# Altium PCB Quark.PcbDoc (part 1 of 3) (continued)
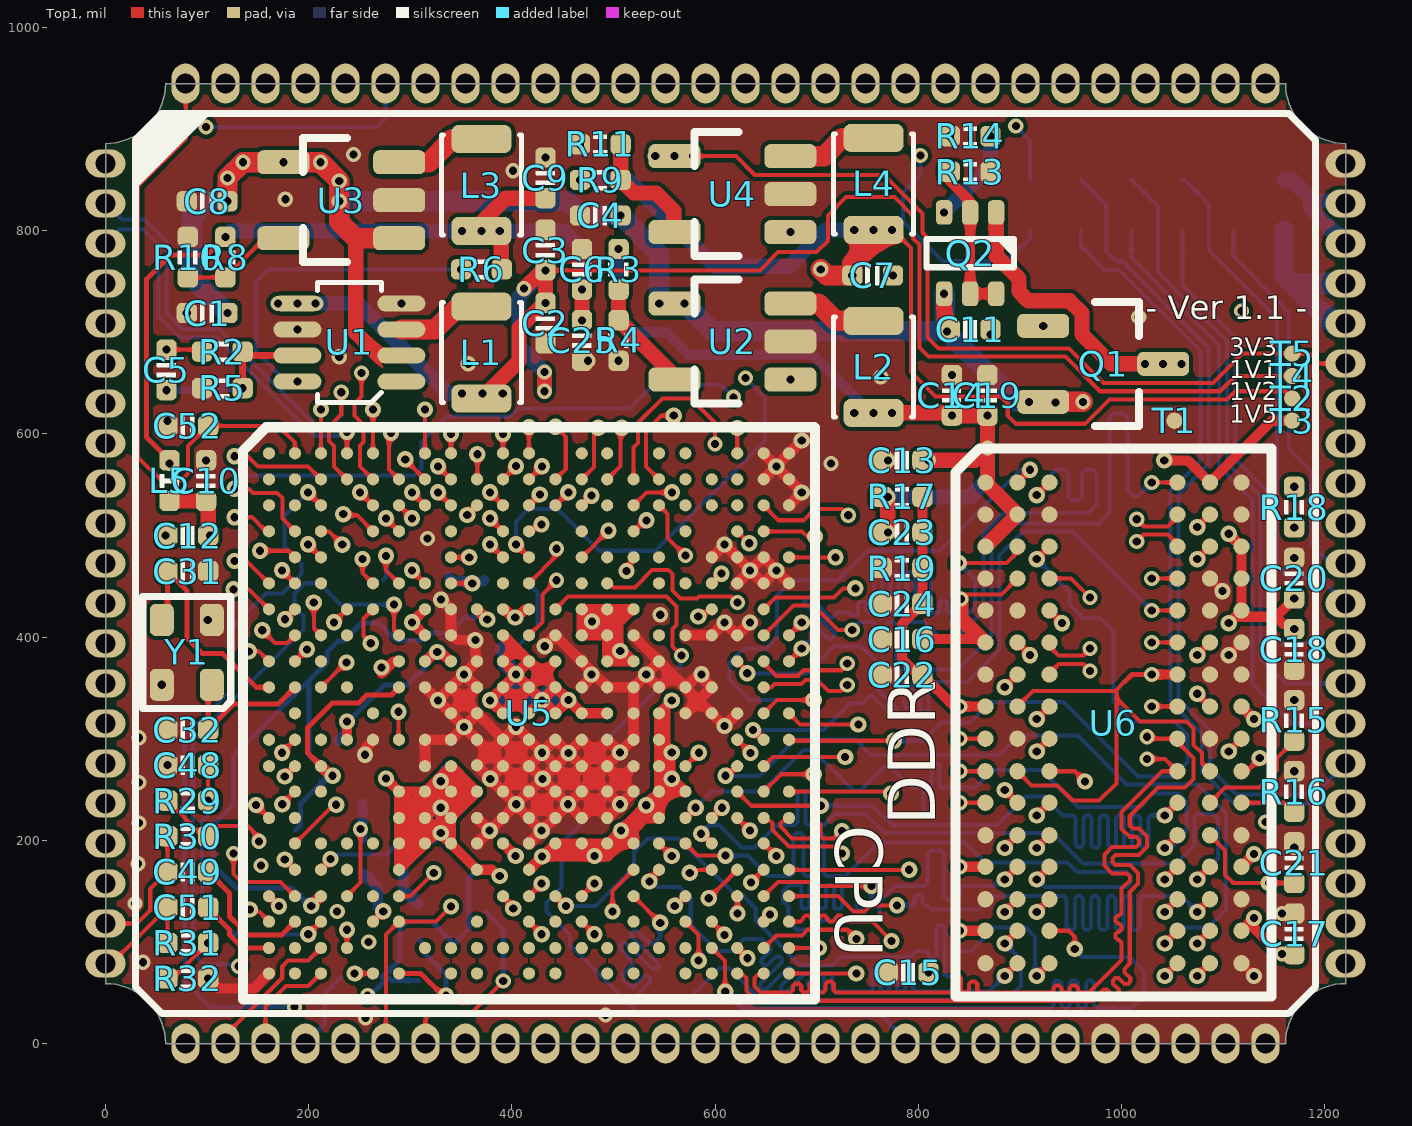
[diagram p0: Top1 view]
## Components (designator, comment, footprint, x,y, rotation, side; value= is the part's Value field where it differs from the comment) (continued)
R9 "10K/1%" RES_0402 487,850 r180 top value=22R
R10 "6.8K/1%" RES_0402 81,774 r270 top value=22R
R11 "10K/1%" RES_0402 487,885 r0 top value=22R
R12 "0R" RES_0402 221,190 r90 bottom value=22R
R13 "10K/1%" RES_0402 851,858 r180 top value=22R
R14 "10K/1%" RES_0402 851,893 r180 top value=22R
R15 "240R/1%" RES_0402 1170,318 r90 top value=22R
R16 "240R/1%" RES_0402 1170,248 r90 top value=22R
R17 "2K/1%" RES_0402 784,538 r180 top value=22R
R18 "100R" RES_0402 1170,528 r90 top value=22R
R19 "2K/1%" RES_0402 784,468 r0 top value=22R
R20 "240R/1%" RES_0402 408,110 r270 bottom value=22R
R21 "1M" RES_0402 343,168 r0 bottom value=22R
R22 "10K" RES_0402 340,115 r270 bottom value=22R
R23 "47K" RES_0402 200,264 r0 bottom value=22R
R24 "10K" RES_0402 187,190 r90 bottom value=22R
R25 "220K/1%" RES_0402 273,168 r180 bottom value=22R
R26 "0R" RES_0402 403.68,178.5 r270 bottom value=22R
R27 "100K" RES_0402 252,65 r180 bottom value=22R
R28 "47K" RES_0402 309,82 r90 bottom value=22R
R29 "1K" RES_0402 81,239 r0 top value=22R
R30 "2K" RES_0402 81,204 r0 top value=22R
R31 "2K" RES_0402 81,99 r180 top value=22R
R32 "1K" RES_0402 81,64 r180 top value=22R
R33 "6K/1%" RES_0402 253,456 r0 bottom value=22R
T1 "测试点" TEST_PT 1052,613 r0 top
T2 "测试点" TEST_PT 1168.01,635 r90 top
T3 "测试点" TEST_PT 1168.01,613 r90 top
T4 "测试点" TEST_PT 1168.01,657 r90 top
T5 "测试点" TEST_PT 1168.01,679 r90 top
U1 "MP2143DJ" SOT23-8 240,690 r90 top
U2 "RT8059" SOT23-5 615,691 r180 top
U3 "RT8059" SOT23-5 230,830 r180 top
U4 "SY8089A" SOT23-5 615,836 r180 top
U5 "ALLWINNER-H3(FBGA-347)" "FBGA-347 - duplicate" 416.77,325 r0 top locked
U6 "K4B4G1646D-BCK0(FBGA-96_256Mx16_DDR3-1600_11-11-11)" FBGA96(HYNIX_SAMSUNG_512MX16_DDR3) 992,316 r270 top locked
Y1 "24MHz" 晶振2520 80,385 r90 top

## Footprints (in the part's own frame and the unit in brackets; to place one, negate y for a bottom-side part, rotate by r counter-clockwise, add the part's x,y. Pads: shape width x height; smd on the part's side, far side on the other; paste and mask are expansions set on the pad)
2520-L [mm]
  rrect50% 0.7x1.5 smd: 1(-1.15,0) 2(1.15,0)
  silkscreen extent -1.25,-1 1.25,1, body extent -1,-0.6 1,0.6, height 0.92
CAP_0402 [mil]
  rrect50% 20x20 smd: 1(-20,0) 2(20,0)
  silkscreen extent -6,-9 6,9, body extent -20,-10 20,10, height 20
FBGA96(HYNIX_SAMSUNG_512MX16_DDR3) [mil] "FBGA96(HYNIX_SAMSUNG_512MX16_DDR3)"
  rrect100% 16x16 smd: A1(-236.22,-125.98) A2(-236.22,-94.49) A3(-236.22,-62.99) A7(-236.22,63) A8(-236.22,95) A9(-236.22,126) B1(-204.72,-125.98) B2(-204.72,-94.49) B3(-204.72,-62.99) B7(-204.72,63) B8(-204.72,95) B9(-204.72,126) C1(-173.23,-125.98) C2(-173.23,-94.49) C3(-173.23,-62.99) C7(-173.23,63) C8(-173.23,95) C9(-173.23,126) D1(-141.73,-125.98) D2(-141.73,-94.49) D3(-141.73,-62.99) D7(-141.73,63) D8(-141.73,95) D9(-141.73,126) E1(-110.24,-125.98) E2(-110.24,-94.49) E3(-110.24,-62.99) E7(-110.24,63) E8(-110.24,95) E9(-110.24,126) F1(-78.74,-125.98) F2(-78.74,-94.49) F3(-78.74,-62.99) F7(-78.74,63) F8(-78.74,95) F9(-78.74,126) G1(-47.24,-125.98) G2(-47.24,-94.49) G3(-47.24,-62.99) G7(-47.24,63) G8(-47.24,95) G9(-47.24,126) H1(-15.75,-125.98) H2(-15.75,-94.49) H3(-15.75,-62.99) H7(-15.75,63) H8(-15.75,95) H9(-15.75,126) J1(16,-125.98) J2(16,-94.49) J3(16,-62.99) J7(16,63) J8(16,95) J9(16,126) K1(48,-125.98) K2(48,-94.49) K3(48,-62.99) K7(48,63) K8(48,95) K9(48,126) L1(79,-125.98) L2(79,-94.49) L3(79,-62.99) L7(79,63) L8(79,95) L9(79,126) M1(111,-125.98) M2(111,-94.49) M3(111,-62.99) M7(111,63) M8(111,95) M9(111,126) N1(142,-125.98) N2(142,-94.49) N3(142,-62.99) N7(142,63) N8(142,95) N9(142,126) P1(174,-125.98) P2(174,-94.49) P3(174,-62.99) P7(174,63) P8(174,95) P9(174,126) R1(205,-125.98) R2(205,-94.49) R3(205,-62.99) R7(205,63) R8(205,95) R9(205,126) T1(237,-125.98) T2(237,-94.49) T3(237,-62.99) T7(237,63) T8(237,95) T9(237,126)
  silkscreen extent -270,-156 270,156
"FBGA-347 - duplicate" [mil] "FBGA-347"
  rrect100% 12x12 smd: A1(-255.91,255.91) A2(-230.31,255.91) A3(-204.72,255.91) A4(-179.13,255.91) A5(-153.54,255.91) A7(-102.36,255.91) A8(-76.77,255.91) A10(-25.59,255.91) A11(0,255.91) A13(52,255.91) A14(77,255.91) A16(128,255.91) A17(154,255.91) A19(205,255.91) A20(231,255.91) A21(256,255.91) AA1(-255.91,-256) AA2(-230.31,-256) AA3(-204.72,-256) AA5(-153.54,-256) AA6(-127.95,-256) AA8(-76.77,-256) AA9(-51.18,-256) AA11(0,-256) AA12(26,-256) AA14(77,-256) AA15(103,-256) AA17(154,-256) AA18(180,-256) AA19(205,-256) AA20(231,-256) AA21(256,-256) B1(-255.91,230.32) B2(-230.31,230.32) B3(-204.72,230.32) B4(-179.13,230.32) B5(-153.54,230.32) B6(-127.95,230.32) B7(-102.36,230.32) B8(-76.77,230.32) B9(-51.18,230.32) B10(-25.59,230.32) B11(0,230.32) B12(26,230.32) B13(52,230.32) B14(77,230.32) B15(103,230.32) B16(128,230.32) B17(154,230.32) B18(180,230.32) B19(205,230.32) B20(231,230.32) B21(256,230.32) C1(-255.91,204.72) C2(-230.31,204.72) C3(-204.72,204.72) C5(-153.54,204.72) C6(-127.95,204.72) C7(-102.36,204.72) C8(-76.77,204.72) C9(-51.18,204.72) C10(-25.59,204.72) C11(0,204.72) C12(26,204.72) C13(52,204.72) C14(77,204.72) C15(103,204.72) C16(128,204.72) C17(154,204.72) C18(180,204.72) C19(205,204.72) C20(231,204.72) C21(256,204.72) D1(-255.91,179.13) D2(-230.31,179.13) D3(-204.72,179.13) D5(-153.54,179.13) D6(-127.95,179.13) D8(-76.77,179.13) D10(-25.59,179.13) D11(0,179.13) D13(52,179.13) D15(103,179.13) D17(154,179.13) D19(205,179.13) D20(231,179.13) E2(-230.31,153.54) E3(-204.72,153.54) E8(-76.77,153.54) E10(-25.59,153.54) E11(0,153.54) E13(52,153.54) E14(77,153.54) E15(103,153.54) E16(128,153.54) E18(180,153.54) E19(205,153.54) E20(231,153.54) E21(256,153.54) F1(-255.91,127.95) F2(-230.31,127.95) F3(-204.72,127.95) F5(-153.54,127.95) F6(-127.95,127.95) F7(-102.36,127.95) F8(-76.77,127.95) F10(-25.59,127.95) F11(0,127.95) F13(52,127.95) F14(77,127.95) F16(128,127.95) F17(154,127.95) F18(180,127.95) F19(205,127.95) F20(231,127.95) F21(256,127.95) G1(-255.91,102.36) G2(-230.31,102.36) G4(-179.13,102.36) G5(-153.54,102.36) G7(-102.36,102.36) G8(-76.77,102.36) G9(-51.18,102.36) G10(-25.59,102.36) G11(0,102.36) G12(26,102.36) G13(52,102.36) G14(77,102.36) G15(103,102.36) G18(180,102.36) G20(231,102.36) H2(-230.31,76.77) H3(-204.72,76.77) H4(-179.13,76.77) H6(-127.95,76.77) H7(-102.36,76.77) H8(-76.77,76.77) H10(-25.59,76.77) H11(0,76.77) H12(26,76.77) H13(52,76.77) H14(77,76.77) H15(103,76.77) H16(128,76.77) H17(154,76.77) H18(180,76.77) H19(205,76.77) H20(231,76.77) H21(256,76.77) J1(-255.91,51.18) J2(-230.31,51.18) J3(-204.72,51.18) J6(-127.95,51.18) J7(-102.36,51.18) J8(-76.77,51.18) J9(-51.18,51.18) J10(-25.59,51.18) J11(0,51.18) J12(26,51.18) J13(52,51.18) J14(77,51.18) J15(103,51.18) J16(128,51.18) J19(205,51.18) J20(231,51.18) J21(256,51.18) K1(-255.91,25.59) K2(-230.31,25.59) K3(-204.72,25.59) K4(-179.13,25.59) K6(-127.95,25.59) K7(-102.36,25.59) K8(-76.77,25.59) K9(-51.18,25.59) K10(-25.59,25.59) K11(0,25.59) K12(26,25.59) K13(52,25.59) K14(77,25.59) K15(103,25.59) K16(128,25.59) K17(154,25.59) K18(180,25.59) K20(231,25.59) L2(-230.31,0) L5(-153.54,0) L8(-76.77,0) L9(-51.18,0) L10(-25.59,0) L11(0,0) L12(26,0) L13(52,0) L14(77,0) L15(103,0) L16(128,0) L17(154,0) L18(180,0) L19(205,0) L20(231,0) L21(256,0) M1(-255.91,-26) M2(-230.31,-26) M3(-204.72,-26) M4(-179.13,-26) M5(-153.54,-26) M6(-127.95,-26) M7(-102.36,-26) M8(-76.77,-26) M9(-51.18,-26) M10(-25.59,-26) M11(0,-26) M12(26,-26) M13(52,-26) M14(77,-26) M15(103,-26) M16(128,-26) M19(205,-26) M20(231,-26) M21(256,-26) N1(-255.91,-52) N2(-230.31,-52) N3(-204.72,-52) N7(-102.36,-52) N8(-76.77,-52) N9(-51.18,-51.18) N10(-25.59,-52) N11(0,-52) N12(26,-52) N13(52,-52) N14(77,-52) N15(103,-52) N16(128,-52) N17(154,-52) N19(205,-52) N20(231,-52) P2(-230.31,-77) P3(-204.72,-77) P6(-127.95,-77) P7(-102.36,-77) P8(-76.77,-77) P9(-51.18,-77) P10(-25.59,-77) P11(0,-77) P12(26,-77) P13(52,-77) P14(77,-77) P15(103,-77) P16(128,-77) P17(154,-77) P19(205,-77) P20(231,-77) P21(256,-77) R1(-255.91,-103) R2(-230.31,-103) R6(-127.95,-103) R7(-102.36,-103) R8(-76.77,-103) R9(-51.18,-103) R10(-25.59,-103) R11(0,-103) R12(26,-103) R13(52,-103) R14(77,-103) R16(128,-103) R17(154,-103) R18(180,-103) R19(205,-103) R20(231,-103) R21(256,-103) T2(-230.31,-128) T3(-204.72,-128) T4(-179.13,-128) T5(-153.54,-128) T6(-127.95,-128) T7(-102.36,-128) T8(-76.77,-128) T9(-51.18,-128) T10(-25.59,-128) T11(0,-128) T12(26,-128) T13(52,-128) T14(77,-128) T15(103,-128) T16(128,-128) T17(154,-128) T18(180,-128) T20(231,-128) U2(-230.31,-154) U3(-204.72,-154) U4(-179.13,-154) U6(-127.95,-154) U9(-51.18,-154) U11(0,-154) U15(103,-154) U16(128,-154) U18(180,-154) U19(205,-154) U20(231,-154) U21(256,-154) V1(-255.91,-180) V2(-230.31,-180) V3(-204.72,-180) V4(-179.13,-180) V5(-153.54,-180) V6(-127.95,-180) V10(-25.59,-180) V11(0,-180) V12(26,-180) V13(52,-180) V15(103,-180) V17(154,-180) V19(205,-180) V20(231,-180) V21(256,-180) W1(-255.91,-205) W2(-230.31,-205) W3(-204.72,-205) W5(-153.54,-205) W6(-127.95,-205) W9(-51.18,-205) W11(0,-205) W12(26,-205) W13(52,-205) W15(103,-205) W17(154,-205) W18(180,-205) W20(231,-205) W21(256,-205) Y1(-255.91,-231) Y2(-230.31,-231) Y3(-204.72,-231) Y4(-179.13,-231) Y7(-102.36,-231) Y8(-76.77,-231) Y9(-51.18,-231) Y10(-25.59,-231) Y11(0,-231) Y12(26,-231) Y13(52,-231) Y14(77,-231) Y15(103,-231) Y16(128,-231) Y17(154,-231) Y18(180,-231) Y19(205,-231) Y20(231,-231) Y21(256,-231)
  silkscreen extent -281,-281 281,281, body extent -276,-276 276,276, height 54
IND_0402 [mil]
  rrect50% 20x20 smd: 1(-20,0) 2(20,0)
  silkscreen extent -7,-9 7,9, body extent -20,-10 20,10, height 20
RES_0402 [mil]
  rrect50% 20x20 smd: 1(-20,0) 2(20,0)
  silkscreen extent -7,-10 7,10, body extent -20,-10 20,10, height 14
SOT23-3 [mm] "SOT23, 3-Leads, Body 3.1x3.0mm (max), Pitch 0.95mm, IPC Medium Density"
  rrect50% 1.3x0.6 smd: 1(-1.5,0.95) 2(-1.5,-0.95) 3(1.5,0)
  silkscreen extent -0.2,-1.55 0.9,1.55, body extent -1.3,-1.45 1.5,1.45, height 1.2
SOT23-5 [mm] "SOT23, 3-Leads, Body 3.1x3.0mm (max), Pitch 0.95mm, IPC Medium Density"
  rrect50% 1.3x0.6 smd: 1(-1.5,0.95) 2(-1.5,0) 3(-1.5,-0.95) 4(1.396,-0.95) 5(1.396,0.95)
  silkscreen extent -0.2,-1.55 0.9,1.55, body extent -1.48,-1.45 1.32,1.45, height 1.2
SOT23-8 [mm]
  oval 0.4x1.2 smd: 1(-0.975,-1.3) 2(-0.325,-1.3) 3(0.325,-1.3) 4(0.975,-1.3) 5(0.975,1.3) 6(0.325,1.3) 7(-0.325,1.3) 8(-0.975,1.3)
  silkscreen extent -1.5,-0.8 1.5,0.8, body extent -1.44,-1.43 1.5,1.37, height 1.2
SOT363-6 [mil]
  rrect50% 24x16 smd: 1(-40,25.59) 2(-40,0) 3(-40,-25.59) 4(40,-25.59) 5(40,0) 6(40,25.59)
  silkscreen extent -14,-43 14,43, body extent -41,-39 41,39, height 37
TEST_CORE [mm]
  round 0.9 smd: 1(0,0) 2(0,-1.27) 3(1.27,0) 4(1.27,-1.27) 5(2.54,0) 6(2.54,-1.27) 7(3.81,0) 8(3.81,-1.27) 9(5.08,0) 10(5.08,-1.27) 11(6.35,0) 12(6.35,-1.27)
TEST_PT [mil]
  rrect100% 16x16 smd: 0(0,0.01)
晶振2520 [mm]
  rrect50% 0.8x0.6 smd: 1(-0.81,-0.625) 2(0.81,-0.625) 3(0.81,0.625) 4(-0.81,0.625)
  silkscreen extent -1.4,-1.1 1.4,1.1, body extent -1.3,-1.05 1.3,1.05, height 0.55

## Part data
C1 C2 C3 C4 C5 C6 C7 C8 C9 C10 C11 C12 C13 C14 C15 C16 C17 C18 C19 C20 C21 C22 C23 C24 C25 C26 C27 C28 C29 C30 C31 C32 C33 C34 C35 C36 C37 C38 C39 C40 C41 C42 C43 C44 C45 C46 C47 C48 C49 C50 C51 C52 C53: library part 电容-0402, "Capacitor"
J1: library part TEST_12P
L1 L2 L3 L4: library part 电感-2520, "磁珠"
L5: library part Ind_0402, "Inductor", Specification="±5% 100mA", Type=0402
Q1: "MOSFET", LatestRevisionDate=17-Jul-2002, LatestRevisionNote="Re-released for DXP Platform.", PackageDescription="TO, Flat Index; 3 In-Line, Axial Leads; Body Dia. 4.6mm; Lead Dia. 0.5 mm (max)", PackageReference=E3, PackageVersion=1995/1996, Published=8-Jun-2000, Publisher="Altium Limited"
Q2: "Transistor"
R1 R2 R3 R4 R5 R6 R7 R8 R9 R10 R11 R12 R13 R14 R15 R16 R17 R18 R19 R20 R21 R22 R23 R24 R25 R26 R27 R28 R29 R30 R31 R32 R33: library part 电阻-0402, "Resistor"
U1 U2 U3 U4: "LDO"
U6: library part K4B8G1646Q-MYK0(FBGA-96_512MX16_DDR3-1600)
Y1: library part 晶振-4Pin-无源, "2520无源", Package="SMD-6 ECS International", Availability=Unavailable, MF="ECS International", MP=ECS-3225S30-240-EN-TR, Price="0.75 USD"
U5: ?=?

## Free pads (board coordinates)
  oval 39.37x27.56 hole 19.68: 1(0,866.14) 2(0,826.77) 3(0,787.4) 4(0,748.03) 5(0,708.66) 6(0,669.29) 7(0,629.92) 8(0,590.55) 9(0,551.18) 10(0,511.81) 11(0,472.44) 12(0,433.07) 13(0,393.7) 14(0,354.33) 15(0,314.96) 16(0,275.59) 17(0,236.22) 18(0,196.85) 19(0,157.48) 20(0,118.11) 21(0,78.74) 50(1220.47,78.74) 51(1220.47,118.11) 52(1220.47,157.48) 53(1220.47,196.85) 54(1220.47,236.22) 55(1220.47,275.59) 56(1220.47,314.96) 57(1220.47,354.33) 58(1220.47,393.7) 59(1220.47,433.07) 60(1220.47,472.44) 61(1220.47,511.81) 62(1220.47,551.18) 63(1220.47,590.55) 64(1220.47,629.92) 65(1220.47,669.29) 66(1220.47,708.66) 67(1220.47,748.03) 68(1220.47,787.4) 69(1220.47,826.77) 70(1220.47,866.14)
  oval 27.56x39.37 hole 19.68: 22(78.74,0) 23(118.11,0) 24(157.48,0) 25(196.85,0) 26(236.22,0) 27(275.59,0) 28(314.96,0) 29(354.33,0) 30(393.7,0) 31(433.07,0) 32(472.44,0) 33(511.81,0) 34(551.18,0) 35(590.55,0) 36(629.92,0) 37(669.29,0) 38(708.66,0) 39(748.03,0) 40(787.4,0) 41(826.77,0) 42(866.14,0) 43(905.51,0) 44(944.88,0) 45(984.25,0) 46(1023.62,0) 47(1062.99,0) 48(1102.36,0) 49(1141.73,0) 71(1141.73,944.88) 72(1102.36,944.88) 73(1062.99,944.88) 74(1023.62,944.88) 75(984.25,944.88) 76(944.88,944.88) 77(905.51,944.88) 78(866.14,944.88) 79(826.77,944.88) 80(787.4,944.88) 81(748.03,944.88) 82(708.66,944.88) 83(669.29,944.88) 84(629.92,944.88) 85(590.55,944.88) 86(551.18,944.88) 87(511.81,944.88) 88(472.44,944.88) 89(433.07,944.88) 90(393.7,944.88) 91(354.33,944.88) 92(314.96,944.88) 93(275.59,944.88) 94(236.22,944.88) 95(196.85,944.88) 96(157.48,944.88) 97(118.11,944.88) 98(78.74,944.88)

## Via types
v1: diameter 16, hole 8, Top1 to Bottom6, tented both sides, 238 vias
v2: diameter 15, hole 8, Top1 to Bottom6, tented both sides, 166 vias

## Nets (pads, with @x,y where several pads share a name; then routed paths per layer and width w, separated by ;. In a path a pad name is that pad's centre, name@x,y a point inside that pad or via, vN(x,y) a via of type N, cw(c..) or ccw(c..) an arc to the next point about the centre after c; other vN are vias at no path point)
AGND: C12.1 C43.2 C44.1 C45.1 C46.1 pad.22 R12.1 R25.1 U5.U3 | length 1257.2
  Top1 w4: U5.U3@212.05,171 v1@224.55,183.5
  Signal5 w7: pad.22@78.74,0 78.74,117.74 119,158 198.05,158 v1(221.55,181.5)
  Power4 w7: v2@61,500 49,488 49,387.57 126,310.57 126,226 ; pad.22@78.74,0 78.74,178.74 126,226 ; v2(259,100) 259,119 252,126 252,151.05 v1(221.55,181.5) 186.05,217 135,217 126,226
  Bottom6 w4: v1(221.55,181.5) 224.79,181.5 229.29,186 277,186 C45.1@293,202
  Bottom6 w10: C46.1@293,236 C45.1@293,202 R25.1@293,168 293,152 C44.1@308,137
  other v2: 59,500
AP-RESET#: C47.2 pad.28 R21.1 U5.V6 | length 386.8
  Top1 w4: U5.V6@288.82,145 300,145 v2(323,168) ; pad.28@314.96,0 314.96,23.96 322,31 361,31 v2(391.5,61.5)
  Power4 w4: v2(323,168) 323,102 363.5,61.5 v2(391.5,61.5)
  Bottom6 w5: C47.2@374,130 391.5,112.5 v2(391.5,61.5)
CAM_D0: pad.81 U5.C9 | length 732.4
  Top1 w4: v1(356,520.13) U5.C9@365.59,529.72
  Signal5 w4: v1(356,520.13) 356,523.38 351,528.38 351,588 359,596 359,606 333,632 333,686 426,779 450.19,779 518.19,847 599.43,847 633.43,881 709,881 748.03,920.03 pad.81@748.03,944.88
CAM_D1: pad.77 U5.E10 | length 872.6
  Top1 w4: v1(378.39,491.34) U5.E10@391.18,478.54
  Signal5 w4: v1(378.39,491.34) 412.05,525 436,525 441.46,530.46 441.46,554 459,571.54 459,679.69 466.31,687 482.31,687 506,710.69 506,726 556,776 573.69,776 609.69,812 644.19,846.5 645.69,848 724.46,848 748.94,848 771.63,848 842.31,848 875,848 923,896 923,914 905.51,931.49 pad.77@905.51,944.88
CAM_D2: pad.80 U5.D10 | length 755
  Top1 w4: v1(378.39,516.93) U5.D10@391.18,504.13
  Signal5 w4: v1(378.39,516.93) 378.39,517.55 362,533.93 362,551 384,573 384,585 372,597 372,609 382,619 398,619 408,629 408,683 452,727 452,767 485,800 563.75,800 599.75,836 635.75,872 739,872 787.4,920.4 pad.80@787.4,944.88
CAM_D3: pad.83 U5.C8 | length 662
  Top1 w4: v1(327.2,542.52) U5.C8@340,529.72
  Signal5 w4: v1(327.2,542.52) 312,557.72 312,592 287,617 287,662.63 419.37,795 443.56,795 538.56,890 619.8,890 625.8,896 626.8,897 635,897 669.29,931.29 pad.83@669.29,944.88
CAM_D4: pad.71 U5.C11 | length 999.6
  Top1 w4: U5.C11@416.77,529.72 v1(427.46,540.41)
  Signal2 w4: v1(427.46,540.41) 458.05,571 ; 458.05,571.05 469,582 469,642 489,662 489,713 568,792 606.31,792 636.54,822.22 783.09,822.22 809.31,796 873.69,796 891.69,814 961,814 1042,895 1070,895 1119,895 1141.73,917.73 pad.71@1141.73,944.88
CAM_D5: pad.76 U5.C12 | length 793.6
  Top1 w4: U5.C12@442.77,529.72 v1(455.57,542.52)
  Signal5 w4: v1(455.57,542.52) 467,553.95 467,638 489,660 489,680 517,708 577,708 587,718 587,778 613,804 649,840 727.77,840 752.25,840 774.94,840 845.63,840 878.31,840 879.31,841 881,841 944.88,904.88 pad.76@944.88,944.88
CAM_D6: pad.82 U5.E8 | length 778.7
  Top1 w4: U5.E8@340,478.54 350.83,478.54 v1(358,478.54)
  Signal5 w4: v1(358,478.54) 338,498.54 338,526 343,531 343,579 337,585 331,585 295,621 295,659.31 422.69,787 446.88,787 513.88,854 514.88,855 596.12,855 627.62,886.5 630.12,889 677,889 708.66,920.66 pad.82@708.66,944.88
CAM_D7: pad.79 U5.A11 | length 632
  Top1 w4: U5.A11@416.77,580.91 v1(416.77,606.91)
  Signal5 w4: v1(416.77,606.91) 416.77,680.46 463.31,727 483,727 548,792 567.06,792 603.06,828 637.56,862.5 639.06,864 717.83,864 742.31,864 768,864 826.77,922.77 pad.79@826.77,944.88
CAM_HSYNC: pad.72 U5.B11 | length 989.2
  Top1 w4: U5.B11@416.77,555.32 v1(429.57,568.11)
  Signal2 w4: v1(429.57,568.11) 433.11,568.11 461,596 461,645 451,655 451,752 499,800 603,800 633.22,830.22 786.4,830.22 812.63,804 870.37,804 888.37,822 957.69,822 1040.69,905 1088,905 1102.36,919.36 pad.72@1102.36,944.88
CAM_MCLK: pad.73 U5.A10 | length 943.3
  Top1 w4: U5.A10@391.18,580.91 v1(391.18,599.91)
  Signal2 w4: v1(391.18,599.91) 392.44,601.17 392.44,610.44 407,625 407,658 379,686 379,732.37 450.63,804 470,804 505,839 891,839 960,839 1062.99,941.99 pad.73@1062.99,944.88
CAM_PCLK: pad.74 U5.B10 | length 988.9
  Top1 w4: U5.B10@391.18,555.32 403.98,568.11 v1(403.98,568.25)
  Signal2 w4: 396.94,572.03 400.73,568.25 v1(403.98,568.25) ; 396.94,572.06 334,635 334,698.69 447.31,812 466.69,812 501.69,847 886,847 956,847 1023.62,914.62 pad.74@1023.62,944.88
CAM_VSYNC: pad.75 U5.C10 | length 1023.7
  Top1 w4: v1(378.39,542.52) U5.C10@391.18,529.72
  Signal2 w4: v1(378.39,542.52) 335.91,585 324,585 296,613 296,672 444,820 463.37,820 498.49,855.12 878.12,855.12 952.12,855.12 984.25,887.25 pad.75@984.25,944.88
EPHY-LINK-LED: C52.2 pad.98 U5.A2 | length 606.7
  Top1 w4: pad.98@79,944.62 79,891 32,844 32,577 55,554 74,554 81,561 81,588 C52.2@101,608 170,608 186.46,591.54 U5.A2@186.46,580.91
EPHY-RXN: pad.3 U5.A4 | length 391.2
  Top1 w4: U5.A4@237.64,580.91 v1(237.64,601.91)
  Bottom6 w4: pad.3@0,787.4 13.6,801 37,801 52,786 52,715.69 72.69,695 108.69,695 205.69,598 230.49,598 234.39,601.91 v1(237.64,601.91)
EPHY-RXP: pad.2 U5.B4 | length 490.8
  Top1 w4: v2(232,641) 232,619 220,607 220,593 224.84,588.16 224.84,568.11 U5.B4@237.64,555.32
  Bottom6 w4: pad.2@0,826.77 0.23,827 16.11,811.11 38.2,811.11 60,789.31 60,719 76,703 112,703 209,606 220,606 232,618 v2(232,641)
EPHY-SPD-LED: C53.2 pad.1 U5.F7 | length 605.5
  Top1 w4: v1(301.61,465.75) U5.F7@314.41,452.95
  Signal5 w4: pad.1@0,866.14 43,823.14 43,730 105,668 105,648 123,630 154.31,630 229,555.31 229,540 214,525 214,512.31 220.31,506 249,506 256,499 280.69,499 301.61,478.07 v1(301.61,465.75)
EPHY-TXN: pad.4 U5.A3 | length 334.9
  Top1 w4: U5.A3@212.05,580.91 U5.A3@212.05,580.91 212,623.95 v1(212.05,624)
  Power4 w4: pad.4@0,748.03 15.03,733 44,733 82,695 120,695 133.81,681.19 199.13,681.19 215,665.31 215,638 212.42,635.42 212.42,624.38 v1(212.05,624)
EPHY-TXP: pad.5 U5.B3 | length 371.3
  Top1 w4: v1(127,578) 140,578 150,568 199.36,568 U5.B3@212.05,555.32
  Power4 w4: pad.5@0,708.66 16.34,725 40.69,725 78.69,687 116.69,687 130.5,673.19 141.81,673.19 148.5,666.5 148.5,599.5 v1(127,578)
GND: C1.1 C2.1 C3.1 C4.1 C6.1 C7.1 C8.1 C9.1 C10.1 C11.1 C13.1 C14.1 C15.1 C16.1 C17.1 C18.1 C19.1 C20.1 C21.1 C22.1 C24.1 C25.1 C26.1 C27.1 C28.1 C29.1 C30.1 C31.2 C32.1 C33.2 C34.1 C35.1 C36.1 C37.2 C38.1 C39.1 C40.1 C41.1 C42.1 C47.1 C48.2 C52.1 C53.1 J1.10 pad.45 pad.46 pad.47 pad.48 pad.49 pad.70 R4.1 R5.1 R10.1 R11.1 R12.2 R13.1 R14.2 R15.2 R16.2 R19.1 R20.2 R32.1 R33.1 T1.0 U1.4 U1.6 U2.2 U3.2 U4.2 U5.A20 U5.A21 U5.AA1 U5.B20 U5.B21 U5.C21 U5.E18 U5.E19 U5.E20 U5.F19 U5.F20 U5.F21 U5.G8 U5.H8 U5.H12 U5.H15 U5.H17 U5.H18 U5.H19 U5.J9 U5.J13 U5.J16 U5.K7 U5.K8 U5.K9 U5.K13 U5.K14 U5.K15 U5.K16 U5.K17 U5.K18 U5.L8 U5.L9 U5.L15 U5.L17 U5.L18 U5.L19 U5.M5 U5.M7 U5.M8 U5.M9 U5.M10 U5.M11 U5.M12 U5.M13 U5.M14 U5.M15 U5.N7 U5.N9 U5.N10 U5.N11 U5.N12 U5.N13 U5.N14 U5.N15 U5.P10 U5.P11 U5.P12 U5.P13 U5.P14 U5.P15 U5.R9 U5.R10 U5.R11 U5.R12 U5.R13 U5.R14 U5.T9 U5.T11 U6.A9 U6.B1 U6.B3 U6.B9 U6.D1 U6.D8 U6.E1 U6.E2 U6.E8 U6.F9 U6.G1 U6.G8 U6.G9 U6.J2 U6.J8 U6.M1 U6.M9 U6.P1 U6.P9 U6.T1 U6.T9 Y1.2 Y1.4 | length 2749.8
  Top1 w4: U6.D8@1087,457.73 v1(1099.5,445.23) ; v1(1105.5,382.24) U6.F9@1118,394.74 ; U6.T9@1118,79 v1(1130.5,66.5)
  Top1 w10: v1(101,64) 111,54 145.87,54 U5.AA1@160.87,69 ; v1(255.43,284.2) 256.58,285.35 256.58,291.81 263.23,298.46 U5.M5@263.23,299 ; U5.N7@314.41,273 U5.M7@314.41,299 U5.M8@340,299 340.41,299 v1(353,311.59) ; U5.K7@314.41,350.59 v1(327.2,337.8) ; v1(330.3,436.86) U5.G8@339.8,427.36 ; U5.K8@340,350.59 352.8,337.8 ; U5.G8@340,427.36 340,402.86 345.86,397 v1(364,397) 364,377.57 U5.J9@365.39,376.18 ; U5.T9@365.59,197 365.77,197 v1@403.98,235.2 ; U5.R9@365.59,222 v1(378.09,209.5) ; U5.J9@365.59,376.18 v1(352.79,363.39) ; U5.L9@365.77,325 U5.M10@391.48,299.3 ; U5.M10@390.77,299 378.18,286.41 ; U5.M10@391.18,299 U5.M10@391.48,299.3 ; U5.P10@391.56,248.38 392.15,248.38 404.27,260.5 ; U5.N10@391.56,272.62 392.15,272.62 404.27,260.5 ; U5.T11@416.77,197 v1(429.27,209.5) ; U5.R11@416.77,222 v1(429.27,209.5) ; U5.P11@416.77,247 U5.P11@417.27,247.5 ; U5.M11@416.77,298.59 404.48,286.3 ; v1(429.57,286.2) U5.M11@416.77,299 v1(403.98,311.8) U5.M10@391.48,299.3 ; v1@430.27,389.07 v1(432.27,391.07) U5.H12@442.77,401.57 ; v1@430.57,286.2 U5.N12@443.27,273.5 ; U5.R12@442.77,222 U5.R12@442.27,222.5 ; U5.H12@442.77,401.77 468.36,376.18 U5.J13@468.77,376.18 468.77,375.82 v1@481.27,363.32 ; 455.27,260.5 U5.N12@442.77,273 ; U5.K13@468.77,350.8 v1@481.27,363.3 ; U5.M14@493.77,299 U5.M14@494.27,298.5 ; v1(506.27,235.5) U5.P14@494.27,247.5 ; U5.P15@519.77,248 U5.P15@519.27,247.5 ; U5.N15@519.77,273 506.77,260 ; U5.H15@519.77,401.77 519.77,401.23 U5.H15@520.77,400.23 ; U5.H15@520.77,400.18 U5.J16@544.77,376.18 ; U5.J16@543.77,374.59 v1(532.27,363.09) ; U5.J16@543.77,374.64 544.77,375.64 U5.J16@544.77,376.18 ; U5.L17@570.77,325 583.57,337.8 ; U5.H17@570.77,401.77 U5.H18@596.77,401.77 v1(609.27,414.27) U5.H19@621.77,401.77 v1(634.27,414.27) ; U5.E18@596.77,478.54 v1(609.27,491.04) U5.E19@621.77,478.54 v1@634.77,465.54 ; U5.L19@621.77,325 v1(609.27,312.5) U5.L18@596.77,325 596.36,325 583.57,337.8 ; U5.F19@621.77,452.95 v1(634.27,465.45) 634.68,465.45 v1@634.77,465.54 ; U5.B20@647.77,555.32 v1(660.27,567.82) ; U5.A20@647.77,580.91 v1@660.27,568.41 ; U5.E20@648.77,476.95 v1(660.27,465.45) ; U5.E20@648.77,477 647.77,478 U5.E20@647.77,478.54 v1@634.77,465.54 ; U5.F21@672.77,452.95 v1(660.27,465.45) ; U5.C21@672.77,529.72 v1(685.27,542.22) 685.27,542.82 U5.B21@672.77,555.32 v1(660.27,567.82) ; v1(685.27,593.41) U5.A21@672.77,580.91 v1@660.27,568.41 ; v1(327.2,337.8) U5.L8@340,325 ; v1(327.2,337.8) v1(352.79,363.39) ; U5.L8@340,325 353,312 v1(353,311.59) ; U5.L8@340,325 352.8,337.8 ; 352.8,337.8 U5.K9@365.59,350.59 v1(352.79,363.39) ; 352.8,337.8 U5.L9@365.59,325 365.59,324.46 364.59,323.46 364.59,323.18 v1(353,311.59) ; v1(353,311.59) U5.M9@365.59,299 378.18,286.41 ; 378.18,286.41 391.18,273.41 U5.N10@391.18,273 ; 378.18,286.41 U5.N9@365.59,273.82 365.59,273.59 v1(378.68,260.5) ; v1(378.68,260.5) U5.N10@391.18,273 ; v1(378.68,260.5) U5.P10@391.18,248 v1@403.98,235.2 ; U5.N10@391.18,273 404.48,286.3 ; U5.M10@391.48,299.3 404.48,286.3 ; v1@403.98,235.2 v1(404.27,235.5) U5.P11@416.77,248 ; v1@403.98,235.2 416.77,222.41 417.18,222.41 429.77,235 ; 404.27,260.5 U5.P11@416.77,248 ; 404.27,260.5 U5.N11@416.77,273 U5.N11@417.27,273.5 ; 404.48,286.3 U5.N11@417.27,273.5 ; U5.P11@416.77,248 U5.P11@417.27,247.5 ; U5.P11@417.27,247.5 429.77,235 ; U5.P11@417.27,247.5 v1(430.27,260.5) ; U5.N11@417.27,273.5 v1(430.27,260.5) ; U5.N11@417.27,273.5 U5.M12@442.77,299 v1(455.77,286) ; v1(429.27,209.5) U5.R12@442.27,222.5 ; 429.77,235 U5.R12@442.27,222.5 ; 429.77,235 U5.P12@442.77,248 ; v1(430.27,260.5) U5.P12@442.77,248 ; v1(430.27,260.5) U5.N12@442.77,273 ; U5.R12@442.27,222.5 v1(455.27,235.5) ; U5.P12@442.77,248 v1(455.27,235.5) ; U5.P12@442.77,248 443.31,248 444.31,249 444.77,249 456.27,260.5 ; U5.N12@442.77,273 U5.N12@443.27,273.5 ; U5.N12@443.27,273.5 v1(455.77,286) ; U5.N12@443.27,273.5 456.27,260.5 ; v1(455.27,235.5) U5.R13@468.77,222 481.77,235 ; v1(455.27,235.5) U5.P13@468.27,248.5 ; v1(455.77,286) U5.M13@468.77,299 481.77,286 ; v1(455.77,286) U5.N13@468.77,273 ; 456.27,260.5 U5.N13@468.77,273 ; 456.27,260.5 U5.P13@468.27,248.5 ; U5.P13@468.27,248.5 U5.P13@468.77,248 481.77,235 ; U5.P13@468.27,248.5 480.77,261 ; U5.N13@468.77,273 481.77,286 ; U5.N13@468.77,273 480.77,261 ; 480.77,261 U5.P14@493.77,248 U5.P14@494.27,247.5 ; 480.77,261 U5.N14@493.54,273.77 ; v1@481.27,363.3 493.77,350.8 U5.K14@493.77,350.59 U5.K15@519.77,350.59 ; 481.77,235 492.77,224 492.77,223.54 493.77,222.54 U5.R14@493.77,222 U5.P15@519.27,247.5 ; 481.77,235 U5.P14@494.27,247.5 ; 481.77,286 492.77,275 492.77,274.54 U5.N14@493.54,273.77 ; 481.77,286 U5.M14@494.27,298.5 ; U5.N14@493.54,273.77 v1(506.27,286.5) ; U5.N14@493.54,273.77 493.77,273.54 U5.N14@493.77,273 506.77,260 ; U5.P14@494.27,247.5 506.77,260 ; U5.M14@494.27,298.5 v1(506.27,286.5) ; v1(506.27,286.5) 517.77,298 518.23,298 519.23,299 U5.M15@519.77,299 U5.L15@519.77,325 U5.K15@519.77,350.59 ; 506.77,260 U5.P15@519.27,247.5 ; U5.K15@519.77,350.59 v1(532.27,363.09) ; v1(532.27,363.09) U5.K16@544.77,350.59 545.18,350.59 557.98,363.39 ; U5.J16@544.77,376.18 545.18,376.18 557.98,363.39 ; 557.98,363.39 U5.K17@570.77,350.59 ; U5.K17@570.77,350.59 583.57,363.39 596.36,350.59 U5.K18@596.77,350.59 583.98,337.8 583.57,337.8 ; U5.K17@570.77,350.59 583.57,337.8 ; v1@634.77,465.54 647.36,452.95 U5.F20@647.77,452.95 v1(660.27,465.45) ; v1(660.27,567.82) v1@660.27,568.41
  other v1: 478.27,363.3 586.57,363.39
  other v2: 256,25 492,28 37,80 1158,128 228,130 29,137.73 32,177 1170,193 33,217 33,257 1170,268 61,274 33,301 1170,338 55.39,353.11 100.61,416.89 546,422 1170,478 317,497 714,571 99,574 770,574 61,613 763,656 833,658 357,669 475,672 505,672 230,676 871,698 188.82,702.8 1017,715 80,719 291.18,728.39 775,756 177,831 401,859 433,872 244,875 467,885 831,893
GPIOA10/STATUS-LED: pad.44 U5.E11 | length 1712.6
  Top1 w4: v1(403.98,491.34) U5.E11@416.77,478.54
  Signal2 w4: pad.44@944.88,0 946.34,1.46 946.34,14.16 971.18,39 1076.18,39 1091,53.82 1091,204 1105,218 v2(1142,218)
  Signal5 w4: v2(630,655) 658,627 698.31,627 733.31,592 827,592 905,514 969,514 990,535 1027,535 1050,512 1050,473.31 1067.31,456 1083,456 1092,465 1112,465 1130,447 1130,360.31 1103,333.31 1103,323.5 1082,302.5 1082,278 v2(1142,218)
  Bottom6 w4: v1(403.98,491.34) 403.98,513.98 416,526 445,526 486,485 541,485 649,593 649,636 v2(630,655)
GPIOE14: pad.85 U5.C6 | length 780.1
  Top1 w4: U5.C6@288.82,529.72 v1(301.61,516.93)
  Signal5 w4: v1(301.61,516.93) 276,542.54 276,556 253,579 227.94,579 168,638.94 168,656 418,906 570,906 590.55,926.55 pad.85@590.55,944.88
GPIOE15: pad.86 U5.C5 | length 749.9
  Top1 w4: v1(250.43,542.52) U5.C5@263.23,529.72
  Signal5 w4: v1(250.43,542.52) 250.43,545.19 153,642.63 153,743 171,761 257,761 410,914 536,914 551.18,929.18 pad.86@551.18,944.88
GPIOG11: pad.43 U5.D2 | length 1943.7
  Top1 w4: v1(127,546) 141,546 145,542 169,542 174,537 174,516.59 U5.D2@186.46,504.13
  Signal5 w4: v2(618,636) 635,619 695,619 758,556 779,556 829,506 963,506 993,476 1036,476 1083,429 1083,409 1090,402 1090,328 1074,312 1074,259.31 1110,223.31 1110,170.31 1114.31,166 1131,166 1140,175 1151.69,175 1166,160.69 1166,149 1160,143 1122,143 1105,126 1105,112 1115,102 1115,63.69 1089.31,38 917,38 905.51,26.51 pad.43@905.51,0
  Bottom6 w4: v1(127,546) 140,559 304,559 311,566 311,592.22 335.78,617 398,617 406,625 516,625 539,648 606,648 v2(618,636)
GPIOG12/USB0-OTGID: pad.95 U5.D1 | length 916.8
  Top1 w4: v1(127,518) 144.31,518 158.17,504.13 U5.D1@160.87,504.13
  Power4 w4: v1(127,518) 161,552 161,656 174,669 200,669 206,663 206,645 190,629 190,603 197,596 210,596 257,643 262,643 269,650 269,674.75 240,703.75 240,736.31 213.31,763 107.31,763 82,788.31 82,853 145,916 178,916 196.85,934.85 pad.95@196.85,944.88
GPIOL3/K1: pad.97 U5.R1 | length 852
  Top1 w4: v1(148.07,234.8) U5.R1@160.87,222
  Signal2 w4: pad.97@118.11,944.88 118.11,890.11 108,880 79.31,880 32,832.69 32,338 95,275 134.69,275 148.07,261.62 v1(148.07,234.8)
GPIOL4/RECOVERY: pad.96 R23.1 U5.N2 | length 855.3
  Top1 w4: v1@173.96,260.5 v1(176.36,262.9) U5.N2@186.46,273
  Signal2 w4: pad.96@157.48,944.88 157.48,917.17 111.31,871 81.63,871 41,830.37 41,340.31 98.31,283 138,283 158.1,262.9 v1(176.36,262.9)
GPIOL8/PWR-STB: R6.1 U1.8 U4.1 U5.T2 | length 1265.3
  Top1 w4: U5.T2@186.46,197 224.46,235 v1(227,235)
  Power4 w4: v2(188.82,651.61) 172,634.8 172,536 134,498 123,498 107,482 107,438 121,424 121,380 158,343 179.56,343 221,301.56 221,289 242,268 242,250 v1(227,235) ; v2(350,762) 364,776 455,776 466,765 522,765 538,781 656.46,781 v2(674.06,798.6)
  Bottom6 w4: v2(188.82,651.61) 177.39,651.61 148,681 148,750 160,762 v2(350,762)
GPIOL9/PWR-DRAM: R1.1 U2.1 U5.M6 | length 765.6
  Top1 w4: v1(288.32,326.5) 288.32,299.5 U5.M6@288.82,299
  Power4 w4: v1(288.32,326.5) 322.82,292 409,292 420,303 498.49,303 551.49,356 551.49,372.51 546,378 546,391 557,402 581,402 589,394 642,394 653,405 653,424 681,452 681,480.35 664,497.35 664,545 676,557 676,578 669,585 669,613 674.06,618.06 v2(674.06,653.6)
GPIOL10/PWR-LED: pad.19 U5.V2 | length 227.8
  Top1 w4: v2(126,187) 126,167 134,159 172.46,159 U5.V2@186.46,145
  Signal5 w4: pad.19@0,157.48 83.48,157.48 113,187 v2(126,187)
HCEC: pad.16 U5.G5 | length 366.2
  Top1 w4: v1(261,394) 254,401 254,418.13 U5.G5@263.23,427.36
  Signal5 w4: pad.16@0.59,275 37,275 67,305 200,305 255,360 255,385.66 261,391.66 v1(261,394)
HHPD: pad.17 U5.M2 | length 212.3
  Top1 w4: v1(173.66,286.2) U5.M2@186.46,299
  Signal5 w4: pad.17@0.22,236 51,236 101.2,286.2 v1(173.66,286.2)
HSCL: pad.6 U5.H3 | length 437.2
  Top1 w4: v1(205,434) 205,408.82 U5.H3@212.05,401.77
  Signal5 w4: pad.6@0,669.29 32.71,669.29 ; 33,669 39,663 78,663 119,622 151,622 221,552 221,543.31 206,528.31 206,509 216,499 216,476 205,465 v1(205,434)
HSDA: pad.15 U5.K3 | length 295.8
  Top1 w4: U5.K3@212.05,350.59 236.46,375 v1(237.15,375)
  Signal5 w4: pad.15@1.04,316 178.15,316 v1(237.15,375)
HTX0_N: pad.9 U5.F1 | length 327.8
  Top1 w4: v1(127,475) 138.82,475 U5.F1@160.87,452.95
  Signal5 w4: pad.9@0,551.18 0,550.71 12.54,538.18 12.54,537.84 14.88,535.5 25.18,535.5 42.51,552.83 73.17,552.83 82,544 82,528 73,519 53,519 39,505 39,493 53,479 100.97,479 114.97,465 118.28,465 127,473.72 v1(127,475)
HTX0_P: pad.10 U5.G1 | length 327.4
  Top1 w4: v1(126,447) 141.23,447 U5.G1@160.87,427.36
  Signal5 w4: pad.10@0,511.81 0,512.28 12.54,524.82 12.54,525.15 14.88,527.5 28.5,527.5 45.83,544.83 69.86,544.83 74,540.69 74,531.31 69.69,527 49.69,527 31,508.31 31,489.69 49.69,471 97.66,471 111.66,457 118.28,457 126,449.28 v1(126,447)
HTX1_N: pad.11 U5.G2 | length 326.3
  Top1 w4: v1@173.66,414.57 v1(176.66,417.57) U5.G2@186.46,427.36
  Signal5 w4: pad.11@0,472.44 0,471.64 14.88,456.76 29.24,456.76 44,442 44,420.34 46.34,418 51,418 54,421 54,450 60.76,456.76 79.24,456.76 86,450 86,412.4 95.01,403.39 112.39,403.39 142,433 150.88,433 165.59,418.29 175.93,418.29 v1(176.66,417.57)
HTX1_P: pad.12 U5.H2 | length 328.6
  Top1 w4: v1(154.23,406.77) 167,394 178.69,394 U5.H2@186.46,401.77
  Signal5 w4: pad.12@0,433.07 0,433.88 14.88,448.76 25.93,448.76 36,438.69 36,416 42,410 55,410 62,417 62,444 66.76,448.76 72.93,448.76 78,443.69 78,409.09 91.7,395.39 115.7,395.39 141.09,420.77 151.8,420.77 154.14,418.43 154.14,406.86 v1(154.23,406.77)
HTX2_N: pad.14 U5.J2 | length 328.8
  Top1 w4: U5.J2@186.46,376.18 v1(198.25,387.98) v1@199.25,388.98
  Signal5 w4: pad.14@0,354.33 0,354.8 12.54,367.34 12.54,367.67 14.88,370.02 18.19,370.02 ; 18.21,370 65.69,370 74.78,360.91 84.88,360.91 101.03,377.06 104.5,377.06 106.68,374.87 106.68,371.4 98,362.72 90.54,355.25 90.54,345.15 98,337.69 108.69,327 143,327 173.63,357.63 173.63,372.63 187.9,386.9 197.18,386.9 v1(198.25,387.98)
HTX2_P: pad.13 U5.J1 | length 325.7
  Top1 w4: v1(141,386) 151.05,386 U5.J1@160.87,376.18
  Signal5 w4: pad.13@0,393.7 0,393.23 12.54,380.7 12.54,380.36 14.88,378.02 68.98,378.02 78.09,368.91 81.57,368.91 97.71,385.06 107.82,385.06 114.68,378.19 114.68,368.09 98.54,351.94 98.54,348.46 112,335 139.69,335 165.63,360.94 165.63,381.37 161.03,385.97 v1(141,386)
HTXC_N: pad.8 U5.E2 | length 328.3
  Top1 w4: v1(152,485) 180,485 U5.E2@186.46,478.54
  Signal5 w4: pad.8@0,590.55 0,591.36 14.88,606.24 31.45,606.24 48.69,589 77,589 82,594 134.69,594 169,559.69 169,487.2 165.09,483.29 153.71,483.29 v1(152,485)
HTXC_P: pad.7 U5.F2 | length 327.9
  Top1 w4: v1(173.66,465.75) U5.F2@186.46,452.95
  Signal5 w4: pad.7@0,629.92 0,629.12 14.88,614.24 34.76,614.24 51.34,597.66 74.34,597.66 78.69,602 138,602 177,563 177,483.89 173.09,479.98 170.75,477.64 170.75,474.32 171.36,473.71 171.36,468.04 v1(173.66,465.75)
I2C0_SCL: pad.61 U5.F11 | length 1115.7
  Top1 w4: U5.F11@416.77,452.95 444,480.18 v2(444,487) v2@444,491
  Signal2 w4: v2(444,487) 479,522 489,522 537,570 537,637 627,727 790.31,727 827.31,764 1021.94,764 1182,603.94 1182,579.31 1193,568.31 1193,539.28 pad.61@1220.47,511.81